# Altium PCB CalibratorPCB_v2.PcbDoc (part 1 of 3) (continued)
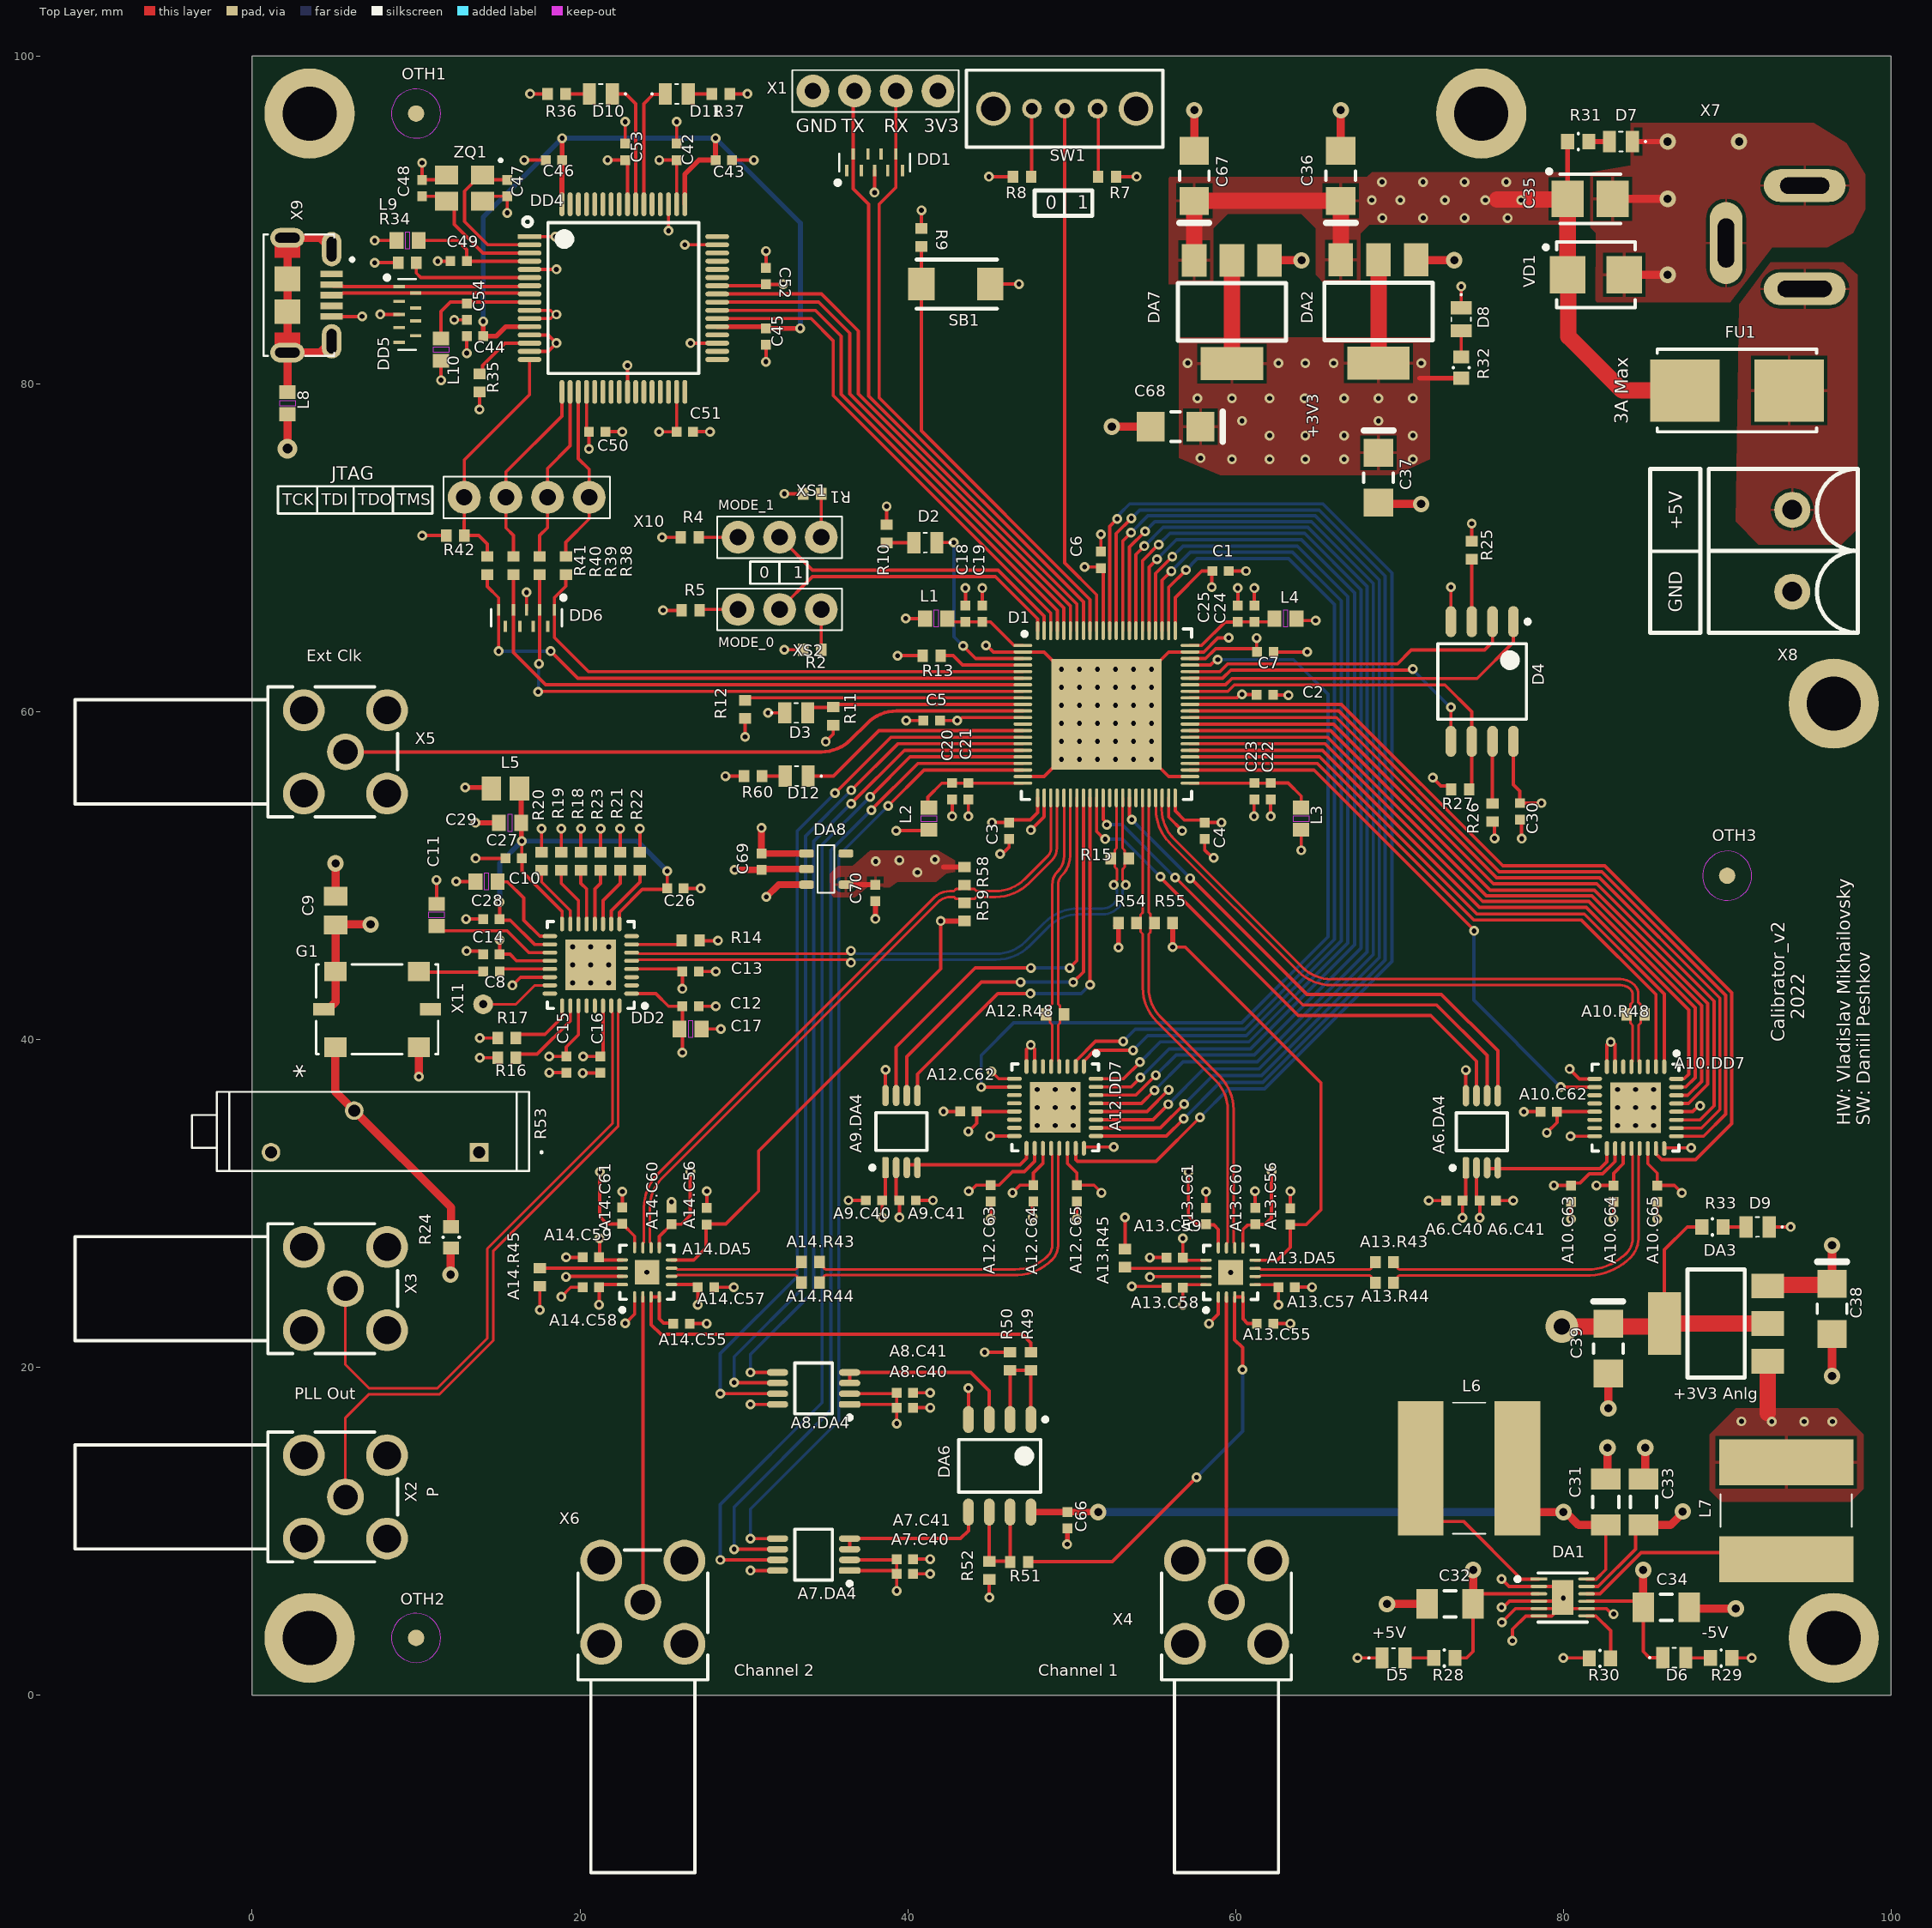
[diagram p0: Top Layer view]
## Classes and differential pairs (continued)
net class A9.DA4_Nets: +3V3 DAC2_X_SPI_C\S\ DAC2_X_SPI_MCLK DAC2_X_SPI_MOSI GND NetA9.DA4_3
net class A7.DA4_Nets: +3V3 DAC1_SPI_C\S\ DAC1_SPI_MCLK DAC1_SPI_MOSI GND NetA7.DA4_3
net class A6.DA4_Nets: +3V3 DAC1_X_SPI_C\S\ DAC1_X_SPI_MCLK DAC1_X_SPI_MOSI GND NetA6.DA4_3
net class DA3_Nets: +3V3_Analog Fused_5V GND
net class DA2_Nets: +3V3 Fused_5V GND
net class DA1_Nets: +5V -5V Fused_5V GND NetDA1_1 NetDA1_7 NetDA1_10
net class D12_Nets: LED_FPGA2 NetD12_2
net class D11_Nets: FTDI_RX_LED NetD11_2
net class D10_Nets: FTDI_TX_LED NetD10_2
net class D9_Nets: GND NetD9_2
net class D8_Nets: GND NetD8_2
net class D7_Nets: GND NetD7_2
net class D6_Nets: -5V NetD6_2
net class D5_Nets: GND NetD5_2
net class D4_Nets: +3V3 \C\S\ GND MCLK MISO MOSI NetD4_3 NetD4_7
net class D3_Nets: DONE GND
net class D2_Nets: LED_FPGA1 NetD2_2
net class D1_Nets: +3V3 +3V3_UnNoised_1 +3V3_UnNoised_22 +3V3_UnNoised_45 +3V3_UnNoised_66 \C\S\ Button_FPGA Clock_N Clock_P Comp_1_N Comp_1_P Comp_2_N Comp_2_P DAC1_SPI_C\S\ DAC1_SPI_MCLK DAC1_SPI_MOSI DAC1_X_SPI_C\S\ DAC1_X_SPI_MCLK DAC1_X_SPI_MOSI DAC2_SPI_C\S\ DAC2_SPI_MCLK DAC2_SPI_MOSI DAC2_X_SPI_C\S\ DAC2_X_SPI_MCLK DAC2_X_SPI_MOSI Delay1_0 Delay1_1 Delay1_2 Delay1_3 Delay1_4 Delay1_5 Delay1_6 Delay1_7 Delay1_8 Delay1_9 Delay2_0 Delay2_1 Delay2_2 Delay2_3 Delay2_4 Delay2_5 Delay2_6 Delay2_7 Delay2_8 Delay2_9 DONE Enable_1 Enable_2 GND HeaderUart_RX HeaderUart_TX JTAG_TCK JTAG_TDI JTAG_TDO JTAG_TMS JTAGSEL_N LED_FPGA1 LED_FPGA2 MCLK MISO MODE0 MODE1 MOSI NetD1_13 NetD1_34 NetD1_38 Node_Clk RECONFIG_N SPI_CS SPI_DI Trigger1_N Trigger1_P Trigger2_N Trigger2_P UART_RX_SPI_DO UART_TX_SPI_CLK UserSwitch
net class C70_Nets: +1V3 GND
net class C69_Nets: +3V3 GND
net class C68_Nets: +3V3 GND
net class C67_Nets: Fused_5V GND
net class C66_Nets: Fused_5V GND
net class C54_Nets: GND VPLL
net class C53_Nets: +3V3 GND
net class C52_Nets: +3V3 GND
net class C51_Nets: +3V3 GND
net class C50_Nets: +3V3 GND
net class C49_Nets: GND VPHY
net class C48_Nets: GND OSCO
net class C47_Nets: GND OSCI
net class C46_Nets: FTDI_1V8 GND
net class C45_Nets: FTDI_1V8 GND
net class C44_Nets: FTDI_1V8 GND
net class C43_Nets: FTDI_1V8 GND
net class C42_Nets: +3V3 GND
net class C39_Nets: +3V3_Analog GND
net class C38_Nets: Fused_5V GND
net class C37_Nets: +3V3 GND
net class C36_Nets: Fused_5V GND
net class C35_Nets: Fused_5V GND
net class C34_Nets: -5V GND
net class C33_Nets: Fused_5V GND
net class C32_Nets: +5V GND
net class C31_Nets: Fused_5V GND
net class C30_Nets: +3V3 GND
net class C29_Nets: GND NetC26_2
net class C28_Nets: GND NetC26_2
net class C27_Nets: GND NetC26_2
net class C26_Nets: GND NetC26_2
net class C25_Nets: +3V3_UnNoised_66 GND
net class C24_Nets: +3V3_UnNoised_66 GND
net class C23_Nets: +3V3_UnNoised_45 GND
net class C22_Nets: +3V3_UnNoised_45 GND
net class C21_Nets: +3V3_UnNoised_22 GND
net class C20_Nets: +3V3_UnNoised_22 GND
net class C19_Nets: +3V3_UnNoised_1 GND
net class C18_Nets: +3V3_UnNoised_1 GND
net class C17_Nets: +3V3 GND
net class C16_Nets: +3V3 GND
net class C15_Nets: +3V3 GND
net class C14_Nets: +3V3 GND
net class C13_Nets: +3V3 GND
net class C12_Nets: +3V3 GND
net class C11_Nets: GND NetC11_1
net class C10_Nets: GND NetC10_2
net class C9_Nets: +3V3 GND
net class C8_Nets: "Clock_to CDCM" NetC8_2
net class C7_Nets: +3V3 GND
net class C6_Nets: +3V3 GND
net class C5_Nets: +3V3 GND
net class C4_Nets: +3V3 GND
net class C3_Nets: +3V3 GND
net class C2_Nets: +3V3 GND
net class C1_Nets: +3V3 GND
component class TVS: DD1 DD5 DD6
component class TopLevel: OTH1 OTH2 OTH3 X4 X5 X6
component class Test_Point: X11
component class Switch: SW1
component class "Switch Power": DA1
component class Resistor: A10.R48 A12.R48 A13.R43 A13.R44 A13.R45 A14.R43 A14.R44 A14.R45 R1 R2 R4 R5 R7 R8 R9 R10 R11 R12 R13 R14 R15 R16 R17 R18 R19 R20 R21 R22 R23 R24 R25 R26 R27 R28 R29 R30 R31 R32 R33 R34 R35 R36 R37 R38 R39 R40 R41 R42 R49 R50 R51 R52 R54 R55 R58 R59 R60
component class Reper: OTH1 OTH2 OTH3
component class PLL: DD2
component class LED: D2 D3 D5 D6 D7 D8 D9 D10 D11 D12
component class LDO: DA2 DA3 DA7 DA8
component class Jumper: XS1 XS2
component class Inductor: L5 L6 L7 L8
component class FTDI: DD4
component class FPGA: D1
component class Flash: D4
component class "Ferrite Beads": L1 L2 L3 L4 L9 L10
component class Diode_zener: VD1
component class DelayLine: A10.DD7 A12.DD7
component class DAC: A6.DA4 A7.DA4 A8.DA4 A9.DA4
component class CRYSTAL: ZQ1
component class Connector: X1 X8 X9 X10
component class Comparator: A13.DA5 A14.DA5
component class Capacitor: A6.C40 A6.C41 A7.C40 A7.C41 A8.C40 A8.C41 A9.C40 A9.C41 A10.C62 A10.C63 A10.C64 A10.C65 A12.C62 A12.C63 A12.C64 A12.C65 A13.C55 A13.C56 A13.C57 A13.C58 A13.C59 A13.C60 A13.C61 A14.C55 A14.C56 A14.C57 A14.C58 A14.C59 A14.C60 A14.C61 C1 C2 C3 C4 C5 C6 C7 C8 C9 C10 C11 C12 C13 C14 C15 C16 C17 C18 C19 C20 C21 C22 C23 C24 C25 C26 C27 C28 C29 C30 C31 C32 C33 C34 C35 C36 C37 C38 C39 C42 C43 C44 C45 C46 C47 C48 C49 C50 C51 C52 C53 C54 C66 C67 C68 C69 C70
component class Button: SB1
component class Amplifier: DA6
component class A4: C8 C9 C10 C11 C12 C13 C14 C15 C16 C17 C26 C27 C28 C29 DD2 G1 L5 R14 R16 R17 R18 R19 R20 R21 R22 R23 R24 R53 X2 X3 X11
component class A1: C42 C43 C44 C45 C46 C47 C48 C49 C50 C51 C52 C53 C54 D10 D11 DD4 DD5 DD6 L8 L9 L10 R34 R35 R36 R37 R38 R39 R40 R41 R42 X9 X10 ZQ1
net class Signal: NetA6.DA4_3 NetA7.DA4_3 NetA8.DA4_3 NetA9.DA4_3
net class Channel_SMA: NetA7.DA4_3 NetA8.DA4_3 NetA13.C55_1 NetA14.C55_1 Node_Clk SMA_Voltage_1 SMA_Voltage_2
component class SMA: X2 X3 X4 X5 X6
component class A11: C66 DA6 R49 R50 R51 R52
channel class DelayLine: A10 A12
channel class DAC: A6 A8 A10 DAC1_X
channel class Comparator: A13 A14
component class A5: C1 C2 C3 C4 C5 C6 C7 C18 C19 C20 C21 C22 C23 C24 C25 D1 D2 D3 D12 DD1 L1 L2 L3 L4 R1 R2 R4 R5 R7 R8 R9 R10 R11 R12 R13 R15 R54 R55 R58 R59 R60 SB1 SW1 X1 XS1 XS2
component class A2: C30 D4 R25 R26 R27
component class A12: A12.C62 A12.C63 A12.C64 A12.C65 A12.DD7 A12.R48 DelayLine1_C63 DelayLine1_C65 DelayLine2_C62 DelayLine2_C64 DelayLine2_DD7 DelayLine2_R48
component class A10: A10.C62 A10.C63 A10.C64 A10.C65 A10.DD7 A10.R48 DelayLine1_C62 DelayLine1_C63 DelayLine1_C64 DelayLine1_C65 DelayLine1_DD7 DelayLine1_R48
component class A8: A8.C40 A8.C41 A8.DA4 DAC2_Y_C40 DAC2_Y_C41 DAC2_Y_DA4
component class A6: A6.C40 A6.C41 A6.DA4 DAC2_X_C40 DAC2_X_C41 DAC2_X_DA4
component class A7: A7.C40 A7.C41 A7.DA4 DAC1_Y_C40 DAC1_Y_C41 DAC1_Y_DA4
component class A14: A14.C55 A14.C56 A14.C57 A14.C58 A14.C59 A14.C60 A14.C61 A14.DA5 A14.R43 A14.R44 A14.R45 Comparator2_C55 Comparator2_C56 Comparator2_C57 Comparator2_C58 Comparator2_C59 Comparator2_C60 Comparator2_C61 Comparator2_DA5 Comparator2_R43 Comparator2_R44 Comparator2_R45 Comparator2_R46 Comparator2_R47
component class A13: A13.C55 A13.C56 A13.C57 A13.C58 A13.C59 A13.C60 A13.C61 A13.DA5 A13.R43 A13.R44 A13.R45 Comparator1_C55 Comparator1_C56 Comparator1_C57 Comparator1_C58 Comparator1_C59 Comparator1_C60 Comparator1_C61 Comparator1_DA5 Comparator1_R43 Comparator1_R44 Comparator1_R45 Comparator1_R46 Comparator1_R47
differential pair A14.In: +A14.In_P -A14.In_N
differential pair A13.In: +A13.In_P -A13.In_N
differential pair A12.Delayed_DelayLine1: +A12.Delayed_DelayLine1_P -A12.Delayed_DelayLine1_N
differential pair A10.Delayed_DelayLine1: +A10.Delayed_DelayLine1_P -A10.Delayed_DelayLine1_N
differential pair USB: +USB_P -USB_N
differential pair Trigger2: +Trigger2_P -Trigger2_N
differential pair Trigger1: +Trigger1_P -Trigger1_N
differential pair Comp_2: +Comp_2_P -Comp_2_N
differential pair Comp_1: +Comp_1_P -Comp_1_N
differential pair Clock: +Clock_P -Clock_N
differential pair CDCM_to_SMA: +CDCM_to_SMA_P -CDCM_to_SMA_N

## Components (designator, comment, footprint, x,y, rotation, side; value= is the part's Value field where it differs from the comment)
A6.C40 "0.1мк 50V" CAP0402 73.352,30.18 r0 top value=0.1мк (schematic designator C40)
A6.C41 "10 50V" CAP0402 75.405,30.18 r180 top value=10 (schematic designator C41)
A6.DA4 "AD5662BRMZ" TSOP65P490X110-8N 75.029,34.378 r90 top value=AD5662 (schematic designator DA4)
A7.C40 "0.1мк 50V" CAP0402 39.828,7.406 r180 top value=0.1мк (schematic designator C40)
A7.C41 "10 50V" CAP0402 39.828,8.308 r180 top value=10 (schematic designator C41)
A7.DA4 "AD5662BRMZ" TSOP65P490X110-8N 34.256,8.583 r180 top value=AD5662 (schematic designator DA4)
A8.C40 "0.1мк 50V" CAP0402 39.828,17.545 r180 top value=0.1мк (schematic designator C40)
A8.C41 "10 50V" CAP0402 39.827,18.452 r180 top value=10 (schematic designator C41)
A8.DA4 "AD5662BRMZ" TSOP65P490X110-8N 34.256,18.722 r180 top value=AD5662 (schematic designator DA4)
A9.C40 "0.1мк 50V" CAP0402 37.94,30.192 r0 top value=0.1мк (schematic designator C40)
A9.C41 "10 50V" CAP0402 39.994,30.192 r180 top value=10 (schematic designator C41)
A9.DA4 "AD5662BRMZ" TSOP65P490X110-8N 39.617,34.39 r90 top value=AD5662 (schematic designator DA4)
A10.C62 "0.1мк *" CAP0402 79.115,35.603 r180 top value=0.1мк (schematic designator C62)
A10.C63 "0.1мк *" CAP0402 80.479,30.606 r270 top value=0.1мк (schematic designator C63)
A10.C64 "0.1мк *" CAP0402 83.077,30.606 r270 top value=0.1мк (schematic designator C64)
A10.C65 "0.1мк *" CAP0402 85.737,30.606 r270 top value=0.1мк (schematic designator C65)
A10.DD7 "MC100EP196BMNG" QFN-32_N_TP 84.411,35.853 r270 top (schematic designator DD7)
A10.R48 "100" RESC0402(1005)_M 84.412,41.542 r0 top (schematic designator R48)
A12.C62 "0.1мк *" CAP0402 43.704,35.615 r180 top value=0.1мк (schematic designator C62)
A12.C63 "0.1мк *" CAP0402 45.067,30.618 r270 top value=0.1мк (schematic designator C63)
A12.C64 "0.1мк *" CAP0402 47.665,30.618 r270 top value=0.1мк (schematic designator C64)
A12.C65 "0.1мк *" CAP0402 50.325,30.618 r270 top value=0.1мк (schematic designator C65)
A12.DD7 "MC100EP196BMNG" QFN-32_N_TP 48.999,35.865 r270 top (schematic designator DD7)
A12.R48 "100" RESC0402(1005)_M 48.996,41.542 r0 top (schematic designator R48)
A13.C55 "0uF 50V" CAP0402 61.801,22.676 r0 top value=0uF (schematic designator C55)
A13.C56 "100nF 50V" CAP0402 63.343,29.213 r270 top value=100nF (schematic designator C56)
A13.C57 "0.1мк 50V" CAP0402 63.125,24.9 r0 top value=0.1мк (schematic designator C57)
A13.C58 "0.1мк 50V" CAP0402 56.284,24.876 r180 top value=0.1мк (schematic designator C58)
A13.C59 "0.1мк 50V" CAP0402 56.284,26.707 r180 top value=0.1мк (schematic designator C59)
A13.C60 "0.1мк 50V" CAP0402 61.201,29.229 r90 top value=0.1мк (schematic designator C60)
A13.C61 "0.1мк 50V" CAP0402 58.201,29.245 r90 top value=0.1мк (schematic designator C61)
A13.DA5 "Value" ADI-CP-16-3_N 59.701,25.795 r90 top (schematic designator DA5)
A13.R43 "50R" RESC0402(1005)_M 69.09,26.42 r0 top (schematic designator R43)
A13.R44 "50R" RESC0402(1005)_M 69.09,25.17 r0 top (schematic designator R44)
A13.R45 "470" RESC0402(1005)_M 53.259,26.67 r270 top (schematic designator R45)
A14.C55 "0uF 50V" CAP0402 26.2,22.675 r0 top value=0uF (schematic designator C55)
A14.C56 "100nF 50V" CAP0402 27.729,29.225 r270 top value=100nF (schematic designator C56)
A14.C57 "0.1мк 50V" CAP0402 27.692,24.888 r0 top value=0.1мк (schematic designator C57)
A14.C58 "0.1мк 50V" CAP0402 20.67,24.888 r180 top value=0.1мк (schematic designator C58)
A14.C59 "0.1мк 50V" CAP0402 20.67,26.719 r180 top value=0.1мк (schematic designator C59)
A14.C60 "0.1мк 50V" CAP0402 25.587,29.241 r90 top value=0.1мк (schematic designator C60)
A14.C61 "0.1мк 50V" CAP0402 22.587,29.257 r90 top value=0.1мк (schematic designator C61)
A14.DA5 "Value" ADI-CP-16-3_N 24.087,25.807 r90 top (schematic designator DA5)
A14.R43 "50R" RESC0402(1005)_M 34.061,26.433 r0 top (schematic designator R43)
A14.R44 "50R" RESC0402(1005)_M 34.061,25.183 r0 top (schematic designator R44)
A14.R45 "470" RESC0402(1005)_M 17.549,25.507 r90 top (schematic designator R45)
C1 "0.1мк 50V" CAP0402 59.09,68.59 r0 top value=0.1мк
C2 "0.1мк 50V" CAP0402 61.795,61.027 r0 top value=0.1мк
C3 "0.1мк 50V" CAP0402 46.198,52.747 r270 top value=0.1мк
C4 "0.1мк 50V" CAP0402 58.117,52.747 r270 top value=0.1мк
C5 "0.1мк 50V" CAP0402 41.461,59.465 r180 top value=0.1мк
C6 "0.1мк 50V" CAP0402 51.792,69.27 r90 top value=0.1мк
C7 "0.1мк 50V" CAP0402 61.823,63.656 r0 top value=0.1мк
C8 "0.1мк 50V" CAP0402 14.605,44.156 r0 top value=0.1мк
C9 "0.1мк *" CAPC0805N 5.088,47.875 r270 top value=0.1мк
C10 "10мк 10V" CAPC0603N 14.301,49.646 r0 top value=10мк
C11 "10мк 10V" CAPC0603N 11.25,47.608 r90 top value=10мк
C12 "0.1мк 50V" CAP0402 26.75,42.032 r180 top value=0.1мк
C13 "0.1мк 50V" CAP0402 26.75,44.156 r0 top value=0.1мк
C14 "0.1мк 50V" CAP0402 14.601,45.209 r180 top value=0.1мк
C15 "0.1мк 50V" CAP0402 19.168,38.471 r270 top value=0.1мк
C16 "0.1мк 50V" CAP0402 21.242,38.471 r270 top value=0.1мк
C17 "10мк 10V" CAPC0603N 26.75,40.646 r180 top value=10мк
C18 "4.7мк 10V" CAP0402 43.523,65.99 r270 top value=4.7мк
C19 "0.1мк 50V" CAP0402 44.55,65.99 r90 top value=0.1мк
C20 "4.7мк 10V" CAP0402 42.715,55.159 r90 top value=4.7мк
C21 "0.1мк 50V" CAP0402 43.704,55.159 r270 top value=0.1мк
C22 "4.7мк 10V" CAP0402 62.147,55.159 r90 top value=4.7мк
C23 "0.1мк 50V" CAP0402 61.147,55.159 r270 top value=0.1мк
C24 "4.7мк 10V" CAP0402 61.147,65.99 r270 top value=4.7мк
C25 "0.1мк 50V" CAP0402 60.142,65.99 r90 top value=0.1мк
C26 "0.1мк 50V" CAP0402 25.829,49.225 r180 top value=0.1мк
C27 "0.1мк 50V" CAP0402 15.949,51.054 r180 top value=0.1мк
C28 "0.1мк 50V" CAP0402 14.601,47.359 r180 top value=0.1мк
C29 "10мк 10V" CAPC0603N 15.733,53.226 r0 top value=10мк
C30 "0.1мк 50V" CAP0402 77.35,53.929 r90 top value=0.1мк
C31 "10мк *" CAPC3216N 82.599,11.791 r270 top value=10мк
C32 "10мк *" CAPC3216N 73.095,5.571 r0 top value=10мк
C33 "0.1мк *" CAPC3216N 84.902,11.791 r270 top value=0.1мк
C34 "10мк *" CAPC3216N 86.282,5.372 r180 top value=10мк
C35 "0.1мк 10V" TYPEB 81.64,91.295 r0 top value=0.1мк
C36 "10мк 16V" TYPEA 66.424,92.701 r90 top value=10мк
C37 "10мк 16V" TYPEA 68.725,74.284 r270 top value=10мк
C38 "10мк 16V" TYPEA 96.4,23.575 r270 top value=10мк
C39 "1мк 16V" TYPEA 82.749,21.154 r270 top value=1мк
C42 "0.1мк 50V" CAP0402 25.901,94.162 r90 top value=0.1мк
C43 "3.3мк 6.3V" CAP0402 28.773,93.662 r180 top value=3.3мк
C44 "0.1мк 50V" CAP0402 13.593,82.917 r180 top value=0.1мк
C45 "0.1мк 50V" CAP0402 31.35,82.892 r270 top value=0.1мк
C46 "0.1мк 50V" CAP0402 18.408,93.662 r180 top value=0.1мк
C47 "10 50V" CAP0402 15.556,91.956 r90 top value=10
C48 "10 50V" CAP0402 10.367,91.956 r270 top value=10
C49 "100nF 50V" CAP0402 12.593,87.492 r0 top value=100nF
C50 "0.1мк 50V" CAP0402 21.049,77.088 r180 top value=0.1мк
C51 "0.1мк 50V" CAP0402 26.4,77.088 r180 top value=0.1мк
C52 "0.1мк 50V" CAP0402 31.35,86.581 r270 top value=0.1мк
C53 "0.1мк 50V" CAP0402 22.759,94.162 r270 top value=0.1мк
C54 "100nF 50V" CAP0402 13.093,84.417 r90 top value=100nF
C66 "0.1мк 50V" CAP0402 49.749,10.676 r90 top value=0.1мк
C67 "10мк" TYPEA 57.482,92.701 r90 top
C68 "10мк" TYPEA 56.344,77.396 r180 top
C69 "1мк *" CAP0402 31.073,50.856 r90 top value=1мк
C70 "1мк *" CAP0402 38.03,48.943 r90 top value=1мк
D1 "Value" QFN88_0.4pitch 52.125,59.85 r0 top
D2 "Green" LED603 41.079,70.322 r180 top
D3 "Green" LED603 33.195,59.934 r0 top
D4 "Value" SOIC-8_208MIL_M 75.05,61.85 r270 top
D5 "Green" LED603 69.64,2.274 r0 top
D6 "Green" LED603 86.774,2.297 r0 top
D7 "Green" LED603 83.515,94.79 r180 top
D8 "Green" LED603 73.773,83.95 r270 top
D9 "Green" LED603 91.86,28.575 r180 top
D10 "Green" LED603 21.278,97.698 r180 top
D11 "Green" LED603 25.902,97.698 r0 top
D12 "Green" LED603 33.225,56.075 r180 top
DA1 "TPS65133DPDR" FP-DPD0012A-IPC_A 79.966,5.963 r0 top
DA2 "LDO 5V to 3V3" SOT-223 68.725,84.425 r180 top value=3.3V
DA3 "LDO 5V to 3V3" SOT-223 89.325,22.679 r90 top value=3.3V
DA6 "AD8032ARZ" SOIC-8_M 45.61,14.001 r270 top
DA7 "LM1117MPX-3.3/NOPB" SOT-223 59.782,84.396 r180 top value=3.3V
DA8 "TPS7A0313PDBVR" SOT-23-5 35.026,50.405 r0 top value="1.3 V"
DD1 "TVS Diode at JTAG" U-DFN3810-9 37.977,93.532 r0 top
DD2 "CDCM61004" QFN-32_N_TP 20.658,44.559 r180 top
DD4 "Value" LQFP64 22.65,85.242 r0 top
DD5 "TVS at USB diff pair" U-DFN3810-9 9.473,84.242 r270 top
DD6 "TVS Diode at JTAG" U-DFN3810-9 16.741,65.716 r180 top
FU1 "Fuse: +5V power line" FP-0154-MFG 90.6,79.6 r180 top value=3A
G1 "LFTVXO076346REEL" LFTVXO076346REEL_IQD 7.625,41.85 r90 top
L1 "220" CAPC0603N 41.736,65.69 r0 top
L2 "220" CAPC0603N 41.29,53.475 r90 top
L3 "220" CAPC0603N 64.007,53.475 r90 top
L4 "220" CAPC0603N 63.052,65.688 r180 top
L5 "DCR = 0.04 Ohm" IND-0805_N 15.449,55.326 r180 top value="120R @ 100MHz"
L6 "4.7uH" ind_SRN8040 74.25,13.85 r180 top
L7 "4.7uH" ind_SRN8040 93.606,11.26 r90 top
L8 "50 Ohm @ 100MHz" CAPC0603N 2.153,78.825 r270 top
L9 "220" CAPC0603N 9.48,88.754 r0 top
L10 "220" CAPC0603N 11.523,82.094 r90 top
OTH1 "REPER_D1.0MM" REPER_D1.0MM 10,96.5 r0 top
OTH2 "REPER_D1.0MM" REPER_D1.0MM 10,3.5 r0 top
OTH3 "REPER_D1.0MM" REPER_D1.0MM 90,50 r0 top
R1 "1к 1/16W" RESC0402(1005)_M 34.173,73.3 r180 top value=1к
R2 "1к 1/16W" RESC0402(1005)_M 34.173,63.778 r180 top value=1к
R4 "1к 1/16W" RESC0402(1005)_M 26.7,70.648 r0 top value=1к
R5 "1к 1/16W" RESC0402(1005)_M 26.75,66.188 r0 top value=1к
R7 "1к 1/16W" RESC0402(1005)_M 52.168,92.645 r0 top value=1к
R8 "1к 1/16W" RESC0402(1005)_M 46.982,92.645 r0 top value=1к
R9 "1к" RESC0402(1005)_M 40.835,88.948 r270 top
R10 "4.7к" RESC0402(1005)_M 38.714,70.864 r90 top
R11 "4.7к" RESC0402(1005)_M 35.45,59.74 r270 top
R12 "4.7к" RESC0402(1005)_M 30.075,60.14 r270 top
R13 "33 1/16W" RESC0402(1005)_M 41.461,63.425 r0 top value=33
R14 "10к" RESC0402(1005)_M 26.75,46.05 r0 top
R15 "100R" RESC0402(1005)_M 52.938,51.05 r180 top
R16 "DNI" RESC0402(1005)_M 15.531,38.896 r0 top
R17 "DNI" RESC0402(1005)_M 15.531,40.095 r0 top
R18 "DNI" RESC0402(1005)_M 20.058,50.887 r270 top
R19 "DNI" RESC0402(1005)_M 18.858,50.887 r270 top
R20 "0" RESC0402(1005)_M 17.658,50.887 r270 top
R21 "DNI" RESC0402(1005)_M 22.458,50.887 r270 top
R22 "0" RESC0402(1005)_M 23.658,50.887 r270 top
R23 "10к" RESC0402(1005)_M 21.258,50.887 r90 top
R24 "5.1к" RESC0603N 12.137,27.938 r270 top
R25 "4.7к 1/16W" RESC0402(1005)_M 74.415,69.85 r270 top value=4.7к
R26 "4.7к 1/16W" RESC0402(1005)_M 75.685,53.854 r90 top value=4.7к
R27 "1к 1/16W" RESC0402(1005)_M 73.709,55.266 r0 top value=1к
R28 "10к" RESC0603N 72.745,2.274 r180 top
R29 "10к" RESC0603N 89.637,2.274 r0 top
R30 "10kOhm 0.1W" RESC0603N 82.237,2.249 r180 top value=10kOhm
R31 "10к 0.1W" RESC0603N 80.915,94.79 r180 top value=10к
R32 "10к" RESC0603N 73.773,81 r270 top
R33 "10к" RESC0603N 89.104,28.575 r180 top
R34 "12к" RESC0402(1005)_M 9.464,87.4 r180 top
R35 "10к" RESC0402(1005)_M 13.87,80.075 r270 top
R36 "220" RESC0402(1005)_M 18.578,97.698 r180 top
R37 "220" RESC0402(1005)_M 28.602,97.698 r0 top
R38 "22 1/16W" RESC0402(1005)_M 19.141,68.928 r90 top value=22
R39 "22 1/16W" RESC0402(1005)_M 17.541,68.928 r90 top value=22
R40 "22 1/16W" RESC0402(1005)_M 15.941,68.928 r90 top value=22
R41 "22 1/16W" RESC0402(1005)_M 14.341,68.928 r90 top value=22
R42 "4.7к 1/16W" RESC0402(1005)_M 12.388,70.753 r180 top value=4.7к
R49 "0R" RESC0402(1005)_M 47.515,20.376 r270 top
R50 "0R" RESC0402(1005)_M 46.245,20.376 r270 top
R51 "0R" RESC0402(1005)_M 46.8,8.125 r180 top
R52 "0R" RESC0402(1005)_M 44.975,7.626 r90 top
R53 "TRIM_3006P-1-103LF" TRIM_3006P-1-103LF 6.225,34.4 r180 top value=5.1к
R54 "50" RESC0402(1005)_M 53.415,47.121 r180 top
R55 "50" RESC0402(1005)_M 55.618,47.121 r0 top
R58 "50" RESC0402(1005)_M 43.472,49.98 r90 top
R59 "50" RESC0402(1005)_M 43.472,47.783 r270 top
R60 "4.7к" RESC0402(1005)_M 30.55,56.075 r180 top
SB1 "DTSM-3" SW_SKRKAEE020 45.035,86.098 r180 top
SW1 "Slide Switch" KLS7-SS03-12D02-EG-3.0 49.578,96.796 r180 top
VD1 "TVS: +5V power line" DO-214AA 81.99,86.66 r0 top value=6V
X1 "PLS4" PLS4 41.84,97.875 r180 top
X2 "Value" 60311042114502 5.69,12.1 r270 top
X3 "Value" 60311042114502 5.69,24.807 r270 top
X4 "=Value" 60311042114502 59.451,5.675 r0 top
X5 "=Value" 60311042114502 5.69,57.555 r270 top
X6 "=Value" 60311042114502 23.837,5.675 r0 top
X7 "PJ-002AH" PJ-002AH 94.733,99.604 r90 top
X8 "DG390-5.0-02P" DG390-5.0-02P 93.975,69.825 r90 top
X9 "USB Micro-B Connector" AMPHENOL_10118194-0001LF 2.15,85.417 r270 top
X10 "PLS4" PLS4 20.562,73.083 r180 top
X11 "PAD-CONNECT-MINI" PAD-CONNECT-MINI 14.094,42.159 r0 top
XS1 "PLS3" PLS3 34.723,70.648 r180 top
XS2 "PLS3" PLS3 34.723,66.248 r180 top
ZQ1 "12MHz" TSX-3225_V 12.96,91.947 r180 top

## Footprints (in the part's own frame and the unit in brackets; to place one, negate y for a bottom-side part, rotate by r counter-clockwise, add the part's x,y. Pads: shape width x height; smd on the part's side, far side on the other; paste and mask are expansions set on the pad)
60311042114502 [mm] "SMA PCB THT Jack Right Angle  Rear Mount Bulkhead"
  round 2.25 hole 1.5: 1(0,0)
  round 2.55 hole 1.7: 2(-2.54,2.54) 3(2.54,2.54) 4(2.54,-2.54) 5(-2.54,-2.54)
  silkscreen extent -3.96,-16.5 3.96,3.19, body extent -5.1,-16.5 5.1,3.19, height 12.2
ADI-CP-16-3_N [mm] "QFN, 16-Leads, Body 3x3mm, Pitch 0.5mm, Thermal Pad 1.5x1.5mm, IPC Medium Density"
  oval 0.7x0.2 smd: 1(-1.5,0.75) 2(-1.5,0.25) 3(-1.5,-0.25) 4(-1.5,-0.75) 9(1.5,-0.75) 10(1.5,-0.25) 11(1.5,0.25) 12(1.5,0.75)
  oval 0.2x0.7 smd: 5(-0.75,-1.5) 6(-0.25,-1.5) 7(0.25,-1.5) 8(0.75,-1.5) 13(0.75,1.5) 14(0.25,1.5) 15(-0.25,1.5) 16(-0.75,1.5)
  rect 1.5x1.5 smd: 17(0,0)
  silkscreen extent -2.42,-1.65 1.65,1.65, body extent -1.5,-1.5 1.5,1.5, height 0.9
AMPHENOL_10118194-0001LF [mm] "USB_Micro-B Connector"
  rect 0.4x1.35 smd: 1(-1.3,2.7) 2(-0.65,2.7) 3(0,2.7) 4(0.65,2.7) 5(1.3,2.7)
  oval 1.2x2.1 hole 0.6 slot 1.5 at 90 deg: 6(-3.5,0) 6(3.5,0)
  oval 2.1x1.2 hole 0.6 slot 1.5 at 0 deg: 6(-2.81,2.7) 6(2.81,2.7)
  rect 1.5x1.55 smd: 6(-1,0) 6(1,0)
  Top Layer region: 193 vertices and 0 holes, not listed, extent -4,-0.775 -2.3,0.78
  Top Layer region: 193 vertices and 0 holes, not listed, extent 2.3,-0.78 4,0.775
  silkscreen extent -3.7,-1.45 3.7,4.05, body extent -4.02,-2.68 4.03,2.9, height 2.72
CAP0402 [mm]
  rect 0.6x0.6 smd: 1(-0.5,0) 2(0.5,0)
  body extent -0.5,-0.25 0.5,0.25, height 0.49
CAPC0603N [mm] "Chip Capacitor, 2-Leads, Body 1,60x0,85mm, IPC Medium Density"
  rect 0.85x1 smd: 1(-0.675,0) 2(0.675,0)
  Top Layer keep-out region: -0.151,-0.5 0.149,-0.5 0.149,0.5 -0.151,0.5
  body extent -0.85,-0.48 0.85,0.47, height 0.8
CAPC0805N [mm] "Chip Capacitor, 2-Leads, Body 2,00x1,25mm, IPC Medium Density"
  rect 1.15x1.45 smd: 1(-0.875,0) 2(0.875,0)
  body extent -1.07,-0.7 1.07,0.7, height 0.9
CAPC3216N [mm] "Chip Capacitor, 2-Leads, Body 3.20x1.60mm, IPC Medium Density"
  rect 1.3x1.8 smd: 1(-1.4,0) 2(1.4,0)
  silkscreen extent -0.35,-0.8 0.35,0.8, body extent -1.7,-0.9 1.7,0.9, height 1.4
DG390-5.0-02P [mm] "2-pin Wire Terminal 13.5A 250V Rated"
  round 2.2 hole 1.2: 1(-2.5,0) 2(2.5,0)
  silkscreen extent -5,-4 5,5.1, body extent -5.6,-5.55 5,5.1, height 15.05
DO-214AA [mm] "Molded Diode, 2-Leads, Body 4,40x3,62mm, IPC Medium Density"
  rect 2.16x2.26 smd: 1(-1.725,0) 2(1.725,0)
  silkscreen extent -3.17,-2 2.4,2, body extent -2.6,-1.97 2.6,1.97, height 2.61
FP-0154-MFG [mil]
  rect 167x150 smd paste+0 mask+0: 1(-125.5,0) 2(125.5,0)
  silkscreen extent -192,-99 192,99, body extent -213,-103 213,103, height 10
FP-DPD0012A-IPC_A [mm]
  rect 1.01x0.192 smd paste+0 mask+0: 1(-1.451,1.125)
  rrect100% 1.01x0.192 smd paste+0 mask+0: 2(-1.451,0.675) 3(-1.451,0.225) 4(-1.451,-0.225) 5(-1.451,-0.675) 6(-1.451,-1.125) 7(1.451,-1.125) 8(1.451,-0.675) 9(1.451,-0.225) 10(1.451,0.225) 11(1.451,0.675) 12(1.451,1.125)
  rect 1.31x2.12 smd paste-1000 mask+0: 13(0,0)
  silkscreen extent -2.88,-1.5 1.5,1.5, body extent -2.46,-2 2.46,2, height 0.25
IND-0805_N [mm]
  rect 1.19x1.47 smd: 1(-0.855,0) 2(0.855,0)
  body extent -1.1,-0.72 1.1,0.72, height 1.1
ind_SRN8040 [mm]
  rect 2.8x8.2 smd: 1(-2.95,0) 2(2.95,0)
  silkscreen extent -1,-4 1,4, body extent -4,-4 4,4, height 4
KLS7-SS03-12D02-EG-3.0 [mm] "TH Slide Switch"
  round 1.2 hole 0.7: 1(-2,0) 2(0,0) 3(2,0)
  round 2.1 hole 1.5: ""(-4.35,0) ""(4.35,0)
  silkscreen extent -6,-2.35 6,2.35, body extent -4.35,-2.25 4.35,2.25, height 7.33
LED603 [mm]
  rect 0.8x1.3 smd: 1(-0.7,0) 2(0.7,0)
  silkscreen extent -1.55,-0.6 0.12,0.6
LFTVXO076346REEL_IQD [mm]
  rect 1.189x1.347 smd paste+0 mask+0: 1(-2.309,2.55) 2(-2.309,-2.55) 4(2.309,-2.55) 5(2.309,2.55)
  rect 0.763x1.291 smd paste+0 mask+0: 3(0,-3.249) 6(0,3.249)
  silkscreen extent -2.73,-3.72 2.73,3.72, body extent -2.6,-3.59 2.6,3.59, height 2.01
LQFP64 [mm]
  rect 1.45x0.3 smd: 1(-5.725,3.75)
  oval 1.45x0.3 smd: 2(-5.725,3.25) 3(-5.725,2.75) 4(-5.725,2.25) 5(-5.725,1.75) 6(-5.725,1.25) 7(-5.725,0.75) 8(-5.725,0.25) 9(-5.725,-0.25) 10(-5.725,-0.75) 11(-5.725,-1.25) 12(-5.725,-1.75) 13(-5.725,-2.25) 14(-5.725,-2.75) 15(-5.725,-3.25) 16(-5.725,-3.75) 33(5.725,-3.75) 34(5.725,-3.25) 35(5.725,-2.75) 36(5.725,-2.25) 37(5.725,-1.75) 38(5.725,-1.25) 39(5.725,-0.75) 40(5.725,-0.25) 41(5.725,0.25) 42(5.725,0.75) 43(5.725,1.25) 44(5.725,1.75) 45(5.725,2.25) 46(5.725,2.75) 47(5.725,3.25) 48(5.725,3.75)
  oval 0.3x1.45 smd: 17(-3.75,-5.725) 18(-3.25,-5.725) 19(-2.75,-5.725) 20(-2.25,-5.725) 21(-1.75,-5.725) 22(-1.25,-5.725) 23(-0.75,-5.725) 24(-0.25,-5.725) 25(0.25,-5.725) 26(0.75,-5.725) 27(1.25,-5.725) 28(1.75,-5.725) 29(2.25,-5.725) 30(2.75,-5.725) 31(3.25,-5.725) 32(3.75,-5.725) 49(3.75,5.725) 50(3.25,5.725) 51(2.75,5.725) 52(2.25,5.725) 53(1.75,5.725) 54(1.25,5.725) 55(0.75,5.725) 56(0.25,5.725) 57(-0.25,5.725) 58(-0.75,5.725) 59(-1.25,5.725) 60(-1.75,5.725) 61(-2.25,5.725) 62(-2.75,5.725) 63(-3.25,5.725) 64(-3.75,5.725)
  silkscreen extent -6.12,-4.6 4.6,4.92, body extent -6,-6 6,6, height 1.5
PAD-CONNECT-MINI [mm]
  round 1.2 hole 0.5: 1(0,0)
PJ-002AH [mm]
  oval 2x5 hole 1 slot 3.3 at 90 deg: 1(-13.8,0)
  oval 5x2 hole 1 slot 3 at 0 deg: 2(-11,4.8)
  oval 2x5 hole 1 slot 3 at 90 deg: 3(-7.5,0)
  body extent -14.25,-4.65 -0.25,4.65, height 11
PLS3 [mm]
  round 2 hole 1: 1(0,0) 2(2.54,0) 3(5.08,0)
  silkscreen extent -1.27,-1.27 6.35,1.27
PLS4 [mm]
  round 2 hole 1: 1(0,0) 2(2.54,0) 3(5.08,0) 4(7.62,0)
  silkscreen extent -1.27,-1.27 8.89,1.27
QFN88_0.4pitch [mm] "QFN, 88-Leads, Body 10,00x10,00mm, Pitch 0,40mm, Thermal Pad 6,74x6,74mm, IPC Medium Density"
  oval 1.15x0.2 smd: 1(-5.1,4.2) 2(-5.1,3.8) 3(-5.1,3.4) 4(-5.1,3) 5(-5.1,2.6) 6(-5.1,2.2) 7(-5.1,1.8) 8(-5.1,1.4) 9(-5.1,1) 10(-5.1,0.6) 11(-5.1,0.2) 12(-5.1,-0.2) 13(-5.1,-0.6) 14(-5.1,-1) 15(-5.1,-1.4) 16(-5.1,-1.8) 17(-5.1,-2.2) 18(-5.1,-2.6) 19(-5.1,-3) 20(-5.1,-3.4) 21(-5.1,-3.8) 22(-5.1,-4.2) 45(5.1,-4.2) 46(5.1,-3.8) 47(5.1,-3.4) 48(5.1,-3) 49(5.1,-2.6) 50(5.1,-2.2) 51(5.1,-1.8) 52(5.1,-1.4) 53(5.1,-1) 54(5.1,-0.6) 55(5.1,-0.2) 56(5.1,0.2) 57(5.1,0.6) 58(5.1,1) 59(5.1,1.4) 60(5.1,1.8) 61(5.1,2.2) 62(5.1,2.6) 63(5.1,3) 64(5.1,3.4) 65(5.1,3.8) 66(5.1,4.2)
  oval 0.2x1.15 smd: 23(-4.2,-5.1) 24(-3.8,-5.1) 25(-3.4,-5.1) 26(-3,-5.1) 27(-2.6,-5.1) 28(-2.2,-5.1) 29(-1.8,-5.1) 30(-1.4,-5.1) 31(-1,-5.1) 32(-0.6,-5.1) 33(-0.2,-5.1) 34(0.2,-5.1) 35(0.6,-5.1) 36(1,-5.1) 37(1.4,-5.1) 38(1.8,-5.1) 39(2.2,-5.1) 40(2.6,-5.1) 41(3,-5.1) 42(3.4,-5.1) 43(3.8,-5.1) 44(4.2,-5.1) 67(4.2,5.1) 68(3.8,5.1) 69(3.4,5.1) 70(3,5.1) 71(2.6,5.1) 72(2.2,5.1) 73(1.8,5.1) 74(1.4,5.1) 75(1,5.1) 76(0.6,5.1) 77(0.2,5.1) 78(-0.2,5.1) 79(-0.6,5.1) 80(-1,5.1) 81(-1.4,5.1) 82(-1.8,5.1) 83(-2.2,5.1) 84(-2.6,5.1) 85(-3,5.1) 86(-3.4,5.1) 87(-3.8,5.1) 88(-4.2,5.1)
  rect 6.74x6.74 smd: 89(0,0)
  silkscreen extent -5.2,-5.2 5.2,5.2, body extent -5.05,-5.05 5.05,5.05, height 0.9
QFN-32_N_TP [mm]
  oval 0.9x0.25 smd mask+0.05: 1(-2.495,1.75) 8(-2.495,-1.75) 17(2.495,-1.75) 24(2.495,1.75)
  oval 0.9x0.25 smd: 2(-2.495,1.25) 3(-2.495,0.75) 4(-2.495,0.25) 5(-2.495,-0.25) 6(-2.495,-0.75) 7(-2.495,-1.25) 18(2.495,-1.25) 19(2.495,-0.75) 20(2.495,-0.25) 21(2.495,0.25) 22(2.495,0.75) 23(2.495,1.25)
  oval 0.25x0.9 smd mask+0.05: 9(-1.75,-2.495) 16(1.75,-2.495) 25(1.75,2.495) 32(-1.75,2.495)
  oval 0.25x0.9 smd: 10(-1.25,-2.495) 11(-0.75,-2.495) 12(-0.25,-2.495) 13(0.25,-2.495) 14(0.75,-2.495) 15(1.25,-2.495) 26(1.25,2.495) 27(0.75,2.495) 28(0.25,2.495) 29(-0.25,2.495) 30(-0.75,2.495) 31(-1.25,2.495)
  rect 3.1x3.1 smd: 33(0,0)
  silkscreen extent -3.42,-2.65 2.65,2.65, body extent -2.51,-2.51 2.51,2.51, height 1
REPER_D1.0MM [mm]
  round 1 smd paste-99 mask+1: 0(0,0)
  Top Layer keep-out circle w0.01: c0,0 r1.5
RESC0402(1005)_M [mm] "Chip Resistor, Body 1.0x0.5mm, IPC Low Density"
  rect 0.65x0.75 smd: 1(-0.55,0) 2(0.55,0)
  body extent -0.52,-0.28 0.53,0.28, height 0.4
RESC0603N [mm] "Chip Resistor, 2-Leads, Body 1,60x0,85mm, IPC Medium Density"
  rect 0.8x0.95 smd: 1(-0.65,0) 2(0.65,0)
  silkscreen extent 0,-0.5 0,0.5, body extent -0.85,-0.48 0.85,0.48, height 0.5
SOIC-8_208MIL_M [mm]
  oval 1.9x0.65 smd: 1(-3.65,1.905) 2(-3.65,0.635) 3(-3.65,-0.635) 4(-3.65,-1.905) 5(3.65,-1.905) 6(3.65,-0.635) 7(3.65,0.635) 8(3.65,1.905)
  silkscreen extent -3.77,-2.7 2.3,2.91, body extent -3.95,-2.7 3.95,2.7, height 2.16
SOIC-8_M [mm] "SOIC, 8-Leads, Body 4,90x3,90mm, Pitch 1,27mm, IPC Low Density"
  oval 1.65x0.65 smd: 1(-2.825,1.905) 2(-2.825,0.635) 3(-2.825,-0.635) 4(-2.825,-1.905) 5(2.825,-1.905) 6(2.825,-0.635) 7(2.825,0.635) 8(2.825,1.905)
  silkscreen extent -2.95,-2.5 1.6,2.91, body extent -3,-2.5 3,2.5, height 1.7
SOT-23-5 [mm]
  rrect50% 0.9x0.5 smd: 1(-1.2,0.95) 2(-1.2,0) 3(-1.2,-0.95) 4(1.2,-0.95) 5(1.2,0.95)
  silkscreen extent -0.53,-1.45 0.5,1.45, body extent -1.25,-1.5 1.25,1.5, height 1.05
SOT-223 [mm]
  rect 1.5x2 smd: 1(-2.3,-3.15) 2(0,-3.15) 3(2.3,-3.15)
  rect 3.8x2 smd: 4(0,3.15)
  silkscreen extent -3.3,-1.75 3.3,1.75, body extent -3.15,-3.68 3.35,3.28, height 1.65
SW_SKRKAEE020 [mm]
  rect 1.6x2 smd: 1(0,0) 2(4.2,0)
  silkscreen extent -0.4,-1.5 4.5,1.5, body extent -0.35,-1.45 4.55,1.45, height 2
TRIM_3006P-1-103LF [mm]
  rect 1.14x1.14 hole 0.74: 1(-7.62,1.27)
  round 1.14 hole 0.74: 2(0,-1.27) 3(5.08,1.27)
  silkscreen extent -11.49,-2.41 9.9,2.41, body extent -10.67,-2.47 9.91,2.36, height 6.6